# Altium PCB top_1.PcbDoc (part 5 of 5)
Units mil, origin at the board's own origin, x right, y up, seen from the top; angles counter-clockwise.
Board outline 12029.02 x 5828 mil, 2 copper layers (Top Layer, Bottom Layer); 775 components, 466 nets, 1984 pads, 387 vias.
Unrouted connection lines stored in the file: 279.
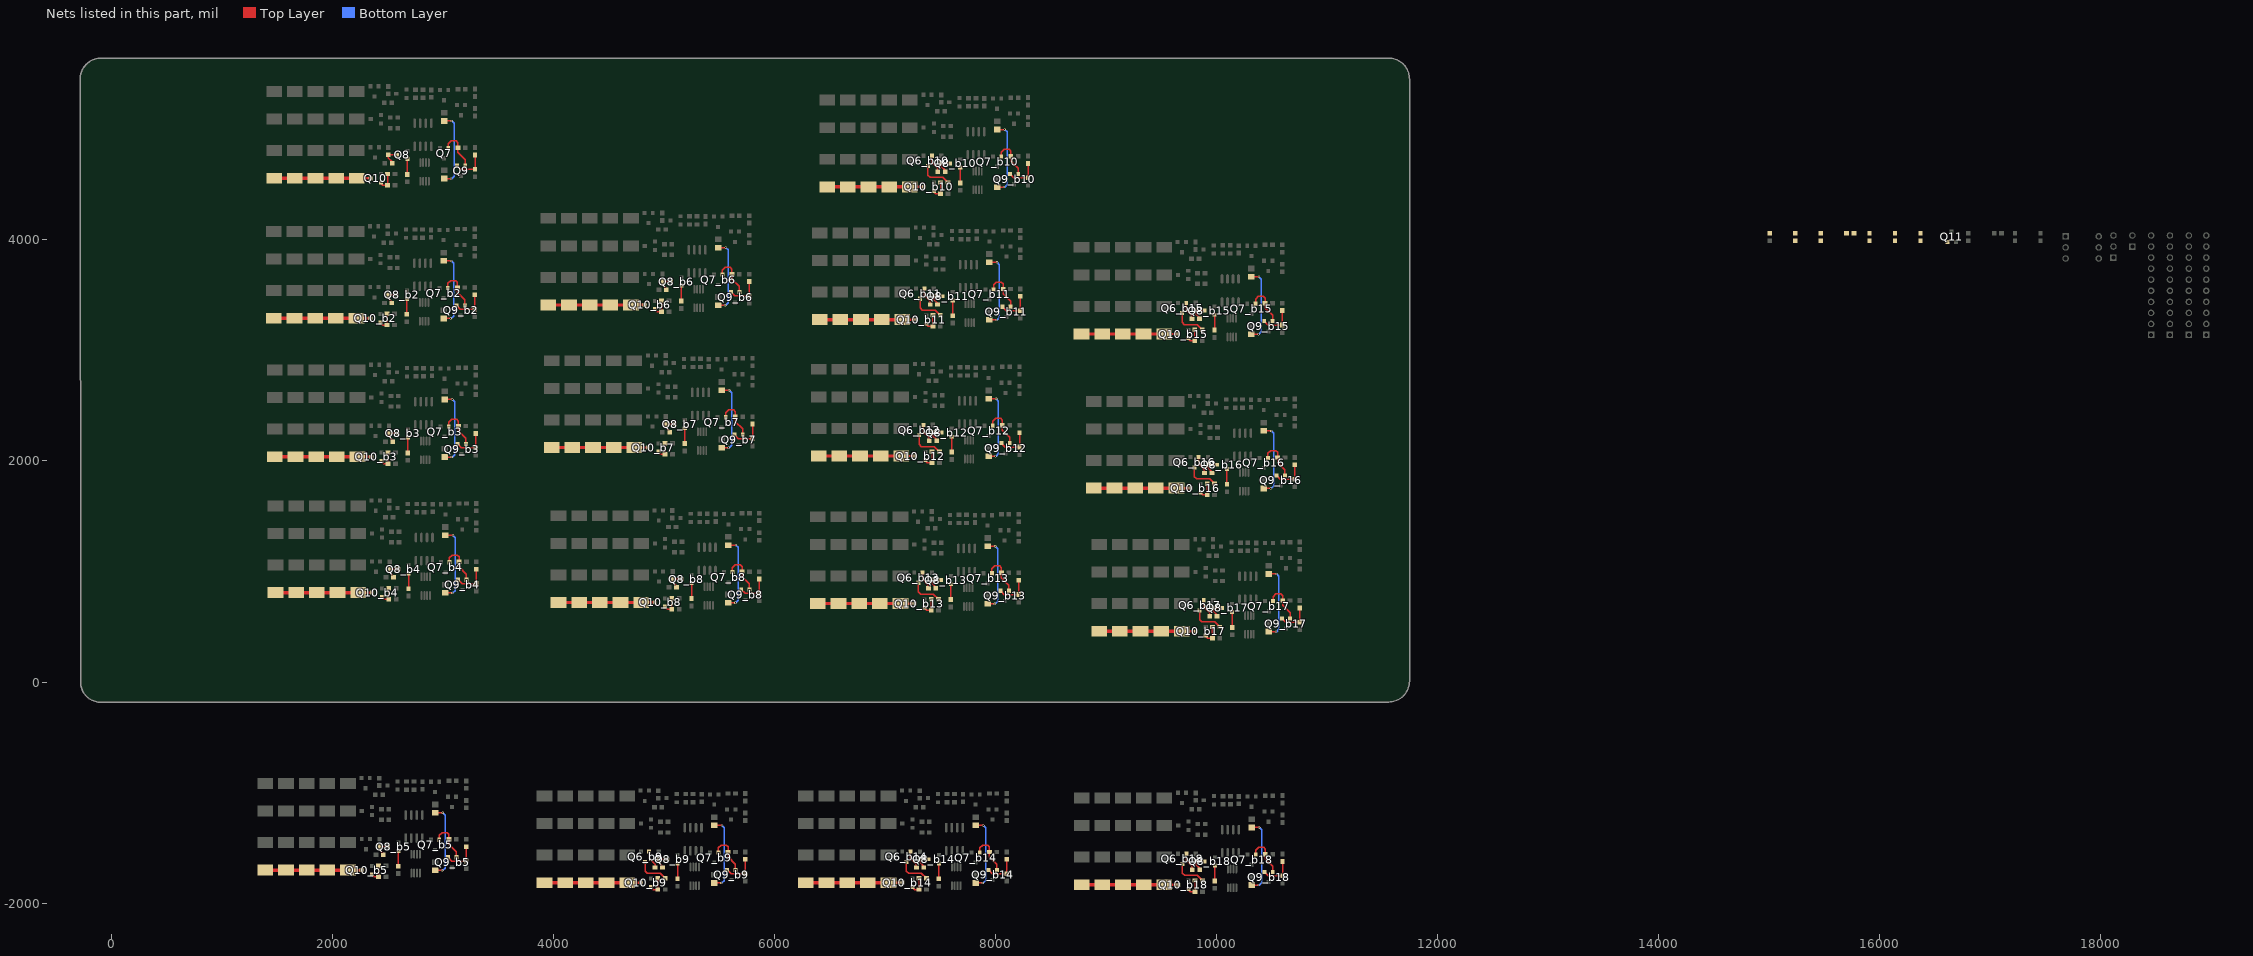
[diagram p5: the nets of this part, all layers, seen from the top]

## Via types
v1: diameter 20, hole 10, Top Layer to Bottom Layer, 346 vias
v2: diameter 40, hole 20, Top Layer to Bottom Layer, 39 vias
v3: diameter 125.98, hole 125.98, Top Layer to Bottom Layer, 2 vias

## Nets (pads, with @x,y where several pads share a name; then routed paths per layer and width w, separated by ;. In a path a pad name is that pad's centre, name@x,y a point inside that pad or via, vN(x,y) a via of type N, cw(c..) or ccw(c..) an arc to the next point about the centre after c; other vN are vias at no path point) (continued)
NetQ6_b9_1: Q6_b9.1 R37_b9.2 | length 165.8
  Top Layer w12: Q6_b9.1@4867.4,-1534.74 4867.4,-1595.94 4920.54,-1649.07 R37_b9.2@4920.54,-1678.54
NetQ6_b9_3: Q6_b9.3 R23_b9.2 | length 293.1
  Top Layer w12: Q6_b9.3@4830,-1627.26 4830,-1710.54 4850,-1730.54 4966.46,-1730.54 R23_b9.2@5012.46,-1776.54
NetQ6_b10_1: Q6_b10.1 R37_b10.2 | length 165.8
  Top Layer w12: Q6_b10.1@7426.4,4762.26 7426.4,4701.06 7479.54,4647.93 R37_b10.2@7479.54,4618.46
NetQ6_b10_3: Q6_b10.3 R23_b10.2 | length 293.1
  Top Layer w12: Q6_b10.3@7389,4669.74 7389,4586.46 7409,4566.46 7525.46,4566.46 R23_b10.2@7571.46,4520.46
NetQ6_b11_1: Q6_b11.1 R37_b11.2 | length 165.8
  Top Layer w12: Q6_b11.1@7357.4,3560.26 7357.4,3499.06 7410.54,3445.93 R37_b11.2@7410.54,3416.46
NetQ6_b11_3: Q6_b11.3 R23_b11.2 | length 293.1
  Top Layer w12: Q6_b11.3@7320,3467.74 7320,3384.46 7340,3364.46 7456.46,3364.46 R23_b11.2@7502.46,3318.46
NetQ6_b12_1: Q6_b12.1 R37_b12.2 | length 165.8
  Top Layer w12: Q6_b12.1@7349.4,2326.26 7349.4,2265.06 7402.54,2211.93 R37_b12.2@7402.54,2182.46
NetQ6_b12_3: Q6_b12.3 R23_b12.2 | length 293.1
  Top Layer w12: Q6_b12.3@7312,2233.74 7312,2150.46 7332,2130.46 7448.46,2130.46 R23_b12.2@7494.46,2084.46
NetQ6_b13_1: Q6_b13.1 R37_b13.2 | length 165.8
  Top Layer w12: Q6_b13.1@7341.4,991.26 7341.4,930.06 7394.54,876.93 R37_b13.2@7394.54,847.46
NetQ6_b13_3: Q6_b13.3 R23_b13.2 | length 293.1
  Top Layer w12: Q6_b13.3@7304,898.74 7304,815.46 7324,795.46 7440.46,795.46 R23_b13.2@7486.46,749.46
NetQ6_b14_1: Q6_b14.1 R37_b14.2 | length 165.8
  Top Layer w12: Q6_b14.1@7232.4,-1534.74 7232.4,-1595.94 7285.54,-1649.07 R37_b14.2@7285.54,-1678.54
NetQ6_b14_3: Q6_b14.3 R23_b14.2 | length 293.1
  Top Layer w12: Q6_b14.3@7195,-1627.26 7195,-1710.54 7215,-1730.54 7331.46,-1730.54 R23_b14.2@7377.46,-1776.54
NetQ6_b15_1: Q6_b15.1 R37_b15.2 | length 165.8
  Top Layer w12: Q6_b15.1@9727.4,3430.26 9727.4,3369.06 9780.54,3315.93 R37_b15.2@9780.54,3286.46
NetQ6_b15_3: Q6_b15.3 R23_b15.2 | length 293.1
  Top Layer w12: Q6_b15.3@9690,3337.74 9690,3254.46 9710,3234.46 9826.46,3234.46 R23_b15.2@9872.46,3188.46
NetQ6_b16_1: Q6_b16.1 R37_b16.2 | length 165.8
  Top Layer w12: Q6_b16.1@9839.4,2035.26 9839.4,1974.06 9892.54,1920.93 R37_b16.2@9892.54,1891.46
NetQ6_b16_3: Q6_b16.3 R23_b16.2 | length 293.1
  Top Layer w12: Q6_b16.3@9802,1942.74 9802,1859.46 9822,1839.46 9938.46,1839.46 R23_b16.2@9984.46,1793.46
NetQ6_b17_1: Q6_b17.1 R37_b17.2 | length 165.8
  Top Layer w12: Q6_b17.1@9886.4,740.26 9886.4,679.06 9939.54,625.93 R37_b17.2@9939.54,596.46
NetQ6_b17_3: Q6_b17.3 R23_b17.2 | length 293.1
  Top Layer w12: Q6_b17.3@9849,647.74 9849,564.46 9869,544.46 9985.46,544.46 R23_b17.2@10031.46,498.46
NetQ6_b18_1: Q6_b18.1 R37_b18.2 | length 165.8
  Top Layer w12: Q6_b18.1@9729.4,-1553.74 9729.4,-1614.94 9782.54,-1668.07 R37_b18.2@9782.54,-1697.54
NetQ6_b18_3: Q6_b18.3 R23_b18.2 | length 293.1
  Top Layer w12: Q6_b18.3@9692,-1646.26 9692,-1729.54 9712,-1749.54 9828.46,-1749.54 R23_b18.2@9874.46,-1795.54
NetQ7_1: Q7.1 Q9.1 R20.1 | length 379.6
  Top Layer w12: Q7.1@3049.4,4832.26 3049.4,4872.4 3075,4898 3120,4898 3136.54,4881.46 R20.1@3136.54,4836 3136.54,4792.46 3203.4,4725.6 Q9.1@3203.4,4674.26
NetQ7_b2_1: Q7_b2.1 Q9_b2.1 R20_b2.1 | length 379.6
  Top Layer w12: Q7_b2.1@3045.4,3566.26 3045.4,3606.4 3071,3632 3116,3632 3132.54,3615.46 R20_b2.1@3132.54,3570 3132.54,3526.46 3199.4,3459.6 Q9_b2.1@3199.4,3408.26
NetQ7_b3_1: Q7_b3.1 Q9_b3.1 R20_b3.1 | length 379.6
  Top Layer w12: Q7_b3.1@3054.4,2312.26 3054.4,2352.4 3080,2378 3125,2378 3141.54,2361.46 R20_b3.1@3141.54,2316 3141.54,2272.46 3208.4,2205.6 Q9_b3.1@3208.4,2154.26
NetQ7_b4_1: Q7_b4.1 Q9_b4.1 R20_b4.1 | length 379.6
  Top Layer w12: Q7_b4.1@3060.4,1083.26 3060.4,1123.4 3086,1149 3131,1149 3147.54,1132.46 R20_b4.1@3147.54,1087 3147.54,1043.46 3214.4,976.6 Q9_b4.1@3214.4,925.26
NetQ7_b5_1: Q7_b5.1 Q9_b5.1 R20_b5.1 | length 379.6
  Top Layer w12: Q7_b5.1@2968.4,-1427.74 2968.4,-1387.6 2994,-1362 3039,-1362 3055.54,-1378.54 R20_b5.1@3055.54,-1424 3055.54,-1467.54 3122.4,-1534.4 Q9_b5.1@3122.4,-1585.74
NetQ7_b6_1: Q7_b6.1 Q9_b6.1 R20_b6.1 | length 379.6
  Top Layer w12: Q7_b6.1@5529.4,3686.26 5529.4,3726.4 5555,3752 5600,3752 5616.54,3735.46 R20_b6.1@5616.54,3690 5616.54,3646.46 5683.4,3579.6 Q9_b6.1@5683.4,3528.26
NetQ7_b7_1: Q7_b7.1 Q9_b7.1 R20_b7.1 | length 379.6
  Top Layer w12: Q7_b7.1@5560.4,2396.26 5560.4,2436.4 5586,2462 5631,2462 5647.54,2445.46 R20_b7.1@5647.54,2400 5647.54,2356.46 5714.4,2289.6 Q9_b7.1@5714.4,2238.26
NetQ7_b8_1: Q7_b8.1 Q9_b8.1 R20_b8.1 | length 379.6
  Top Layer w12: Q7_b8.1@5621.4,994.26 5621.4,1034.4 5647,1060 5692,1060 5708.54,1043.46 R20_b8.1@5708.54,998 5708.54,954.46 5775.4,887.6 Q9_b8.1@5775.4,836.26
NetQ7_b9_1: Q7_b9.1 Q9_b9.1 R20_b9.1 | length 379.6
  Top Layer w12: Q7_b9.1@5494.4,-1541.74 5494.4,-1501.6 5520,-1476 5565,-1476 5581.54,-1492.54 R20_b9.1@5581.54,-1538 5581.54,-1581.54 5648.4,-1648.4 Q9_b9.1@5648.4,-1699.74
NetQ7_b10_1: Q7_b10.1 Q9_b10.1 R20_b10.1 | length 379.6
  Top Layer w12: Q7_b10.1@8053.4,4755.26 8053.4,4795.4 8079,4821 8124,4821 8140.54,4804.46 R20_b10.1@8140.54,4759 8140.54,4715.46 8207.4,4648.6 Q9_b10.1@8207.4,4597.26
NetQ7_b11_1: Q7_b11.1 Q9_b11.1 R20_b11.1 | length 379.6
  Top Layer w12: Q7_b11.1@7984.4,3553.26 7984.4,3593.4 8010,3619 8055,3619 8071.54,3602.46 R20_b11.1@8071.54,3557 8071.54,3513.46 8138.4,3446.6 Q9_b11.1@8138.4,3395.26
NetQ7_b12_1: Q7_b12.1 Q9_b12.1 R20_b12.1 | length 379.6
  Top Layer w12: Q7_b12.1@7976.4,2319.26 7976.4,2359.4 8002,2385 8047,2385 8063.54,2368.46 R20_b12.1@8063.54,2323 8063.54,2279.46 8130.4,2212.6 Q9_b12.1@8130.4,2161.26
NetQ7_b13_1: Q7_b13.1 Q9_b13.1 R20_b13.1 | length 379.6
  Top Layer w12: Q7_b13.1@7968.4,984.26 7968.4,1024.4 7994,1050 8039,1050 8055.54,1033.46 R20_b13.1@8055.54,988 8055.54,944.46 8122.4,877.6 Q9_b13.1@8122.4,826.26
NetQ7_b14_1: Q7_b14.1 Q9_b14.1 R20_b14.1 | length 379.6
  Top Layer w12: Q7_b14.1@7859.4,-1541.74 7859.4,-1501.6 7885,-1476 7930,-1476 7946.54,-1492.54 R20_b14.1@7946.54,-1538 7946.54,-1581.54 8013.4,-1648.4 Q9_b14.1@8013.4,-1699.74
NetQ7_b15_1: Q7_b15.1 Q9_b15.1 R20_b15.1 | length 379.6
  Top Layer w12: Q7_b15.1@10354.4,3423.26 10354.4,3463.4 10380,3489 10425,3489 10441.54,3472.46 R20_b15.1@10441.54,3427 10441.54,3383.46 10508.4,3316.6 Q9_b15.1@10508.4,3265.26
NetQ7_b16_1: Q7_b16.1 Q9_b16.1 R20_b16.1 | length 379.6
  Top Layer w12: Q7_b16.1@10466.4,2028.26 10466.4,2068.4 10492,2094 10537,2094 10553.54,2077.46 R20_b16.1@10553.54,2032 10553.54,1988.46 10620.4,1921.6 Q9_b16.1@10620.4,1870.26
NetQ7_b17_1: Q7_b17.1 Q9_b17.1 R20_b17.1 | length 379.6
  Top Layer w12: Q7_b17.1@10513.4,733.26 10513.4,773.4 10539,799 10584,799 10600.54,782.46 R20_b17.1@10600.54,737 10600.54,693.46 10667.4,626.6 Q9_b17.1@10667.4,575.26
NetQ7_b18_1: Q7_b18.1 Q9_b18.1 R20_b18.1 | length 379.6
  Top Layer w12: Q7_b18.1@10356.4,-1560.74 10356.4,-1520.6 10382,-1495 10427,-1495 10443.54,-1511.54 R20_b18.1@10443.54,-1557 10443.54,-1600.54 10510.4,-1667.4 Q9_b18.1@10510.4,-1718.74
NetQ8_1: Q8.1 R22.1 | length 139.2
  Top Layer w12: R22.1@2679,4593.46 2679.26,4593.72 Q8.1@2679.26,4732.6
NetQ8_3: Q8.3 R19.1 R37.1 | length 168.3
  Top Layer w15: R37.1@2542.46,4695.46 2542.46,4708 2508,4742.46 R19.1@2508,4770.54 2508.54,4770 Q8.3@2586.74,4770
NetQ8_b2_1: Q8_b2.1 R22_b2.1 | length 139.2
  Top Layer w12: R22_b2.1@2675,3327.46 2675.26,3327.72 Q8_b2.1@2675.26,3466.6
NetQ8_b2_3: Q8_b2.3 R19_b2.1 R37_b2.1 | length 168.3
  Top Layer w15: R37_b2.1@2538.46,3429.46 2538.46,3442 2504,3476.46 R19_b2.1@2504,3504.54 2504.54,3504 Q8_b2.3@2582.74,3504
NetQ8_b3_1: Q8_b3.1 R22_b3.1 | length 139.2
  Top Layer w12: R22_b3.1@2684,2073.46 2684.26,2073.72 Q8_b3.1@2684.26,2212.6
NetQ8_b3_3: Q8_b3.3 R19_b3.1 R37_b3.1 | length 168.3
  Top Layer w15: R37_b3.1@2547.46,2175.46 2547.46,2188 2513,2222.46 R19_b3.1@2513,2250.54 2513.54,2250 Q8_b3.3@2591.74,2250
NetQ8_b4_1: Q8_b4.1 R22_b4.1 | length 139.2
  Top Layer w12: R22_b4.1@2690,844.46 2690.26,844.72 Q8_b4.1@2690.26,983.6
NetQ8_b4_3: Q8_b4.3 R19_b4.1 R37_b4.1 | length 168.3
  Top Layer w15: R37_b4.1@2553.46,946.46 2553.46,959 2519,993.46 R19_b4.1@2519,1021.54 2519.54,1021 Q8_b4.3@2597.74,1021
NetQ8_b5_1: Q8_b5.1 R22_b5.1 | length 139.2
  Top Layer w12: R22_b5.1@2598,-1666.54 2598.26,-1666.28 Q8_b5.1@2598.26,-1527.4
NetQ8_b5_3: Q8_b5.3 R19_b5.1 R37_b5.1 | length 168.3
  Top Layer w15: R37_b5.1@2461.46,-1564.54 2461.46,-1552 2427,-1517.54 R19_b5.1@2427,-1489.46 2427.54,-1490 Q8_b5.3@2505.74,-1490
NetQ8_b6_1: Q8_b6.1 R22_b6.1 | length 139.2
  Top Layer w12: R22_b6.1@5159,3447.46 5159.26,3447.72 Q8_b6.1@5159.26,3586.6
NetQ8_b6_3: Q8_b6.3 R19_b6.1 R37_b6.1 | length 168.3
  Top Layer w15: R37_b6.1@5022.46,3549.46 5022.46,3562 4988,3596.46 R19_b6.1@4988,3624.54 4988.54,3624 Q8_b6.3@5066.74,3624
NetQ8_b7_1: Q8_b7.1 R22_b7.1 | length 139.2
  Top Layer w12: R22_b7.1@5190,2157.46 5190.26,2157.72 Q8_b7.1@5190.26,2296.6
NetQ8_b7_3: Q8_b7.3 R19_b7.1 R37_b7.1 | length 168.3
  Top Layer w15: R37_b7.1@5053.46,2259.46 5053.46,2272 5019,2306.46 R19_b7.1@5019,2334.54 5019.54,2334 Q8_b7.3@5097.74,2334
NetQ8_b8_1: Q8_b8.1 R22_b8.1 | length 139.2
  Top Layer w12: R22_b8.1@5251,755.46 5251.26,755.72 Q8_b8.1@5251.26,894.6
NetQ8_b8_3: Q8_b8.3 R19_b8.1 R37_b8.1 | length 168.3
  Top Layer w15: R37_b8.1@5114.46,857.46 5114.46,870 5080,904.46 R19_b8.1@5080,932.54 5080.54,932 Q8_b8.3@5158.74,932
NetQ8_b9_1: Q8_b9.1 R22_b9.1 | length 139.2
  Top Layer w12: R22_b9.1@5124,-1780.54 5124.26,-1780.28 Q8_b9.1@5124.26,-1641.4
NetQ8_b9_3: Q8_b9.3 R19_b9.1 R37_b9.1 | length 168.3
  Top Layer w15: R37_b9.1@4987.46,-1678.54 4987.46,-1666 4953,-1631.54 R19_b9.1@4953,-1603.46 4953.54,-1604 Q8_b9.3@5031.74,-1604
NetQ8_b10_1: Q8_b10.1 R22_b10.1 | length 139.2
  Top Layer w12: R22_b10.1@7683,4516.46 7683.26,4516.72 Q8_b10.1@7683.26,4655.6
NetQ8_b10_3: Q8_b10.3 R19_b10.1 R37_b10.1 | length 168.3
  Top Layer w15: R37_b10.1@7546.46,4618.46 7546.46,4631 7512,4665.46 R19_b10.1@7512,4693.54 7512.54,4693 Q8_b10.3@7590.74,4693
NetQ8_b11_1: Q8_b11.1 R22_b11.1 | length 139.2
  Top Layer w12: R22_b11.1@7614,3314.46 7614.26,3314.72 Q8_b11.1@7614.26,3453.6
NetQ8_b11_3: Q8_b11.3 R19_b11.1 R37_b11.1 | length 168.3
  Top Layer w15: R37_b11.1@7477.46,3416.46 7477.46,3429 7443,3463.46 R19_b11.1@7443,3491.54 7443.54,3491 Q8_b11.3@7521.74,3491
NetQ8_b12_1: Q8_b12.1 R22_b12.1 | length 139.2
  Top Layer w12: R22_b12.1@7606,2080.46 7606.26,2080.72 Q8_b12.1@7606.26,2219.6
NetQ8_b12_3: Q8_b12.3 R19_b12.1 R37_b12.1 | length 168.3
  Top Layer w15: R37_b12.1@7469.46,2182.46 7469.46,2195 7435,2229.46 R19_b12.1@7435,2257.54 7435.54,2257 Q8_b12.3@7513.74,2257
NetQ8_b13_1: Q8_b13.1 R22_b13.1 | length 139.2
  Top Layer w12: R22_b13.1@7598,745.46 7598.26,745.72 Q8_b13.1@7598.26,884.6
NetQ8_b13_3: Q8_b13.3 R19_b13.1 R37_b13.1 | length 168.3
  Top Layer w15: R37_b13.1@7461.46,847.46 7461.46,860 7427,894.46 R19_b13.1@7427,922.54 7427.54,922 Q8_b13.3@7505.74,922
NetQ8_b14_1: Q8_b14.1 R22_b14.1 | length 139.2
  Top Layer w12: R22_b14.1@7489,-1780.54 7489.26,-1780.28 Q8_b14.1@7489.26,-1641.4
NetQ8_b14_3: Q8_b14.3 R19_b14.1 R37_b14.1 | length 168.3
  Top Layer w15: R37_b14.1@7352.46,-1678.54 7352.46,-1666 7318,-1631.54 R19_b14.1@7318,-1603.46 7318.54,-1604 Q8_b14.3@7396.74,-1604
NetQ8_b15_1: Q8_b15.1 R22_b15.1 | length 139.2
  Top Layer w12: R22_b15.1@9984,3184.46 9984.26,3184.72 Q8_b15.1@9984.26,3323.6
NetQ8_b15_3: Q8_b15.3 R19_b15.1 R37_b15.1 | length 168.3
  Top Layer w15: R37_b15.1@9847.46,3286.46 9847.46,3299 9813,3333.46 R19_b15.1@9813,3361.54 9813.54,3361 Q8_b15.3@9891.74,3361
NetQ8_b16_1: Q8_b16.1 R22_b16.1 | length 139.2
  Top Layer w12: R22_b16.1@10096,1789.46 10096.26,1789.72 Q8_b16.1@10096.26,1928.6
NetQ8_b16_3: Q8_b16.3 R19_b16.1 R37_b16.1 | length 168.3
  Top Layer w15: R37_b16.1@9959.46,1891.46 9959.46,1904 9925,1938.46 R19_b16.1@9925,1966.54 9925.54,1966 Q8_b16.3@10003.74,1966
NetQ8_b17_1: Q8_b17.1 R22_b17.1 | length 139.2
  Top Layer w12: R22_b17.1@10143,494.46 10143.26,494.72 Q8_b17.1@10143.26,633.6
NetQ8_b17_3: Q8_b17.3 R19_b17.1 R37_b17.1 | length 168.3
  Top Layer w15: R37_b17.1@10006.46,596.46 10006.46,609 9972,643.46 R19_b17.1@9972,671.54 9972.54,671 Q8_b17.3@10050.74,671
NetQ8_b18_1: Q8_b18.1 R22_b18.1 | length 139.2
  Top Layer w12: R22_b18.1@9986,-1799.54 9986.26,-1799.28 Q8_b18.1@9986.26,-1660.4
NetQ8_b18_3: Q8_b18.3 R19_b18.1 R37_b18.1 | length 168.3
  Top Layer w15: R37_b18.1@9849.46,-1697.54 9849.46,-1685 9815,-1650.54 R19_b18.1@9815,-1622.46 9815.54,-1623 Q8_b18.3@9893.74,-1623
NetQ9_2: Q9.2 R21.1 R24.2 | length 307.9
  Top Layer w12: Q9.2@3128.6,4674.26 3163.39,4639.46 R24.2@3292,4639.46 R21.1@3292,4769.54
NetQ9_b2_2: Q9_b2.2 R21_b2.1 R24_b2.2 | length 307.9
  Top Layer w12: Q9_b2.2@3124.6,3408.26 3159.39,3373.46 R24_b2.2@3288,3373.46 R21_b2.1@3288,3503.54
NetQ9_b3_2: Q9_b3.2 R21_b3.1 R24_b3.2 | length 307.9
  Top Layer w12: Q9_b3.2@3133.6,2154.26 3168.39,2119.46 R24_b3.2@3297,2119.46 R21_b3.1@3297,2249.54
NetQ9_b4_2: Q9_b4.2 R21_b4.1 R24_b4.2 | length 307.9
  Top Layer w12: Q9_b4.2@3139.6,925.26 3174.39,890.46 R24_b4.2@3303,890.46 R21_b4.1@3303,1020.54
NetQ9_b5_2: Q9_b5.2 R21_b5.1 R24_b5.2 | length 307.9
  Top Layer w12: Q9_b5.2@3047.6,-1585.74 3082.39,-1620.54 R24_b5.2@3211,-1620.54 R21_b5.1@3211,-1490.46
NetQ9_b6_2: Q9_b6.2 R21_b6.1 R24_b6.2 | length 307.9
  Top Layer w12: Q9_b6.2@5608.6,3528.26 5643.39,3493.46 R24_b6.2@5772,3493.46 R21_b6.1@5772,3623.54
NetQ9_b7_2: Q9_b7.2 R21_b7.1 R24_b7.2 | length 307.9
  Top Layer w12: Q9_b7.2@5639.6,2238.26 5674.39,2203.46 R24_b7.2@5803,2203.46 R21_b7.1@5803,2333.54
NetQ9_b8_2: Q9_b8.2 R21_b8.1 R24_b8.2 | length 307.9
  Top Layer w12: Q9_b8.2@5700.6,836.26 5735.39,801.46 R24_b8.2@5864,801.46 R21_b8.1@5864,931.54
NetQ9_b9_2: Q9_b9.2 R21_b9.1 R24_b9.2 | length 307.9
  Top Layer w12: Q9_b9.2@5573.6,-1699.74 5608.39,-1734.54 R24_b9.2@5737,-1734.54 R21_b9.1@5737,-1604.46
NetQ9_b10_2: Q9_b10.2 R21_b10.1 R24_b10.2 | length 307.9
  Top Layer w12: Q9_b10.2@8132.6,4597.26 8167.39,4562.46 R24_b10.2@8296,4562.46 R21_b10.1@8296,4692.54
NetQ9_b11_2: Q9_b11.2 R21_b11.1 R24_b11.2 | length 307.9
  Top Layer w12: Q9_b11.2@8063.6,3395.26 8098.39,3360.46 R24_b11.2@8227,3360.46 R21_b11.1@8227,3490.54
NetQ9_b12_2: Q9_b12.2 R21_b12.1 R24_b12.2 | length 307.9
  Top Layer w12: Q9_b12.2@8055.6,2161.26 8090.39,2126.46 R24_b12.2@8219,2126.46 R21_b12.1@8219,2256.54
NetQ9_b13_2: Q9_b13.2 R21_b13.1 R24_b13.2 | length 307.9
  Top Layer w12: Q9_b13.2@8047.6,826.26 8082.39,791.46 R24_b13.2@8211,791.46 R21_b13.1@8211,921.54
NetQ9_b14_2: Q9_b14.2 R21_b14.1 R24_b14.2 | length 307.9
  Top Layer w12: Q9_b14.2@7938.6,-1699.74 7973.39,-1734.54 R24_b14.2@8102,-1734.54 R21_b14.1@8102,-1604.46
NetQ9_b15_2: Q9_b15.2 R21_b15.1 R24_b15.2 | length 307.9
  Top Layer w12: Q9_b15.2@10433.6,3265.26 10468.39,3230.46 R24_b15.2@10597,3230.46 R21_b15.1@10597,3360.54
NetQ9_b16_2: Q9_b16.2 R21_b16.1 R24_b16.2 | length 307.9
  Top Layer w12: Q9_b16.2@10545.6,1870.26 10580.39,1835.46 R24_b16.2@10709,1835.46 R21_b16.1@10709,1965.54
NetQ9_b17_2: Q9_b17.2 R21_b17.1 R24_b17.2 | length 307.9
  Top Layer w12: Q9_b17.2@10592.6,575.26 10627.39,540.46 R24_b17.2@10756,540.46 R21_b17.1@10756,670.54
NetQ9_b18_2: Q9_b18.2 R21_b18.1 R24_b18.2 | length 307.9
  Top Layer w12: Q9_b18.2@10435.6,-1718.74 10470.39,-1753.54 R24_b18.2@10599,-1753.54 R21_b18.1@10599,-1623.46
NetQ10_1: Q10.1 R23.1 R38.2 | length 174.4
  Top Layer w12: Q10.1@2440.26,4520.6 2440.26,4515.21 2459,4496.46 R38.2@2500.54,4496.46 R23.1@2500.54,4597.46
NetQ10_3: Q10.3 R14.1 R15.1 R16.1 R17.1 R18.1 | length 872.7
  Top Layer w22: R18.1@2223,4558 Q10.3@2347.74,4558
  Top Layer w30: R14.1@1475,4558 R15.1@1662,4558 R16.1@1849,4558 R17.1@2036,4558 R18.1@2223,4558
NetQ10_b2_1: Q10_b2.1 R23_b2.1 R38_b2.2 | length 174.4
  Top Layer w12: Q10_b2.1@2436.26,3254.6 2436.26,3249.21 2455,3230.46 R38_b2.2@2496.54,3230.46 R23_b2.1@2496.54,3331.46
NetQ10_b2_3: Q10_b2.3 R14_b2.1 R15_b2.1 R16_b2.1 R17_b2.1 R18_b2.1 | length 872.7
  Top Layer w22: R18_b2.1@2219,3292 Q10_b2.3@2343.74,3292
  Top Layer w30: R14_b2.1@1471,3292 R15_b2.1@1658,3292 R16_b2.1@1845,3292 R17_b2.1@2032,3292 R18_b2.1@2219,3292
NetQ10_b3_1: Q10_b3.1 R23_b3.1 R38_b3.2 | length 174.4
  Top Layer w12: Q10_b3.1@2445.26,2000.6 2445.26,1995.21 2464,1976.46 R38_b3.2@2505.54,1976.46 R23_b3.1@2505.54,2077.46
NetQ10_b3_3: Q10_b3.3 R14_b3.1 R15_b3.1 R16_b3.1 R17_b3.1 R18_b3.1 | length 872.7
  Top Layer w22: R18_b3.1@2228,2038 Q10_b3.3@2352.74,2038
  Top Layer w30: R14_b3.1@1480,2038 R15_b3.1@1667,2038 R16_b3.1@1854,2038 R17_b3.1@2041,2038 R18_b3.1@2228,2038
NetQ10_b4_1: Q10_b4.1 R23_b4.1 R38_b4.2 | length 174.4
  Top Layer w12: Q10_b4.1@2451.26,771.6 2451.26,766.21 2470,747.46 R38_b4.2@2511.54,747.46 R23_b4.1@2511.54,848.46
NetQ10_b4_3: Q10_b4.3 R14_b4.1 R15_b4.1 R16_b4.1 R17_b4.1 R18_b4.1 | length 872.7
  Top Layer w22: R18_b4.1@2234,809 Q10_b4.3@2358.74,809
  Top Layer w30: R14_b4.1@1486,809 R15_b4.1@1673,809 R16_b4.1@1860,809 R17_b4.1@2047,809 R18_b4.1@2234,809
NetQ10_b5_1: Q10_b5.1 R23_b5.1 R38_b5.2 | length 174.4
  Top Layer w12: Q10_b5.1@2359.26,-1739.4 2359.26,-1744.79 2378,-1763.54 R38_b5.2@2419.54,-1763.54 R23_b5.1@2419.54,-1662.54
NetQ10_b5_3: Q10_b5.3 R14_b5.1 R15_b5.1 R16_b5.1 R17_b5.1 R18_b5.1 | length 872.7
  Top Layer w22: R18_b5.1@2142,-1702 Q10_b5.3@2266.74,-1702
  Top Layer w30: R14_b5.1@1394,-1702 R15_b5.1@1581,-1702 R16_b5.1@1768,-1702 R17_b5.1@1955,-1702 R18_b5.1@2142,-1702
NetQ10_b6_1: Q10_b6.1 R23_b6.1 R38_b6.2 | length 174.4
  Top Layer w12: Q10_b6.1@4920.26,3374.6 4920.26,3369.21 4939,3350.46 R38_b6.2@4980.54,3350.46 R23_b6.1@4980.54,3451.46
NetQ10_b6_3: Q10_b6.3 R14_b6.1 R15_b6.1 R16_b6.1 R17_b6.1 R18_b6.1 | length 872.7
  Top Layer w22: R18_b6.1@4703,3412 Q10_b6.3@4827.74,3412
  Top Layer w30: R14_b6.1@3955,3412 R15_b6.1@4142,3412 R16_b6.1@4329,3412 R17_b6.1@4516,3412 R18_b6.1@4703,3412
NetQ10_b7_1: Q10_b7.1 R23_b7.1 R38_b7.2 | length 174.4
  Top Layer w12: Q10_b7.1@4951.26,2084.6 4951.26,2079.21 4970,2060.46 R38_b7.2@5011.54,2060.46 R23_b7.1@5011.54,2161.46
NetQ10_b7_3: Q10_b7.3 R14_b7.1 R15_b7.1 R16_b7.1 R17_b7.1 R18_b7.1 | length 872.7
  Top Layer w22: R18_b7.1@4734,2122 Q10_b7.3@4858.74,2122
  Top Layer w30: R14_b7.1@3986,2122 R15_b7.1@4173,2122 R16_b7.1@4360,2122 R17_b7.1@4547,2122 R18_b7.1@4734,2122
NetQ10_b8_1: Q10_b8.1 R23_b8.1 R38_b8.2 | length 174.4
  Top Layer w12: Q10_b8.1@5012.26,682.6 5012.26,677.21 5031,658.46 R38_b8.2@5072.54,658.46 R23_b8.1@5072.54,759.46
NetQ10_b8_3: Q10_b8.3 R14_b8.1 R15_b8.1 R16_b8.1 R17_b8.1 R18_b8.1 | length 872.7
  Top Layer w22: R18_b8.1@4795,720 Q10_b8.3@4919.74,720
  Top Layer w30: R14_b8.1@4047,720 R15_b8.1@4234,720 R16_b8.1@4421,720 R17_b8.1@4608,720 R18_b8.1@4795,720
NetQ10_b9_1: Q10_b9.1 R23_b9.1 R38_b9.2 | length 174.4
  Top Layer w12: Q10_b9.1@4885.26,-1853.4 4885.26,-1858.79 4904,-1877.54 R38_b9.2@4945.54,-1877.54 R23_b9.1@4945.54,-1776.54
NetQ10_b9_3: Q10_b9.3 R14_b9.1 R15_b9.1 R16_b9.1 R17_b9.1 R18_b9.1 | length 872.7
  Top Layer w22: R18_b9.1@4668,-1816 Q10_b9.3@4792.74,-1816
  Top Layer w30: R14_b9.1@3920,-1816 R15_b9.1@4107,-1816 R16_b9.1@4294,-1816 R17_b9.1@4481,-1816 R18_b9.1@4668,-1816
NetQ10_b10_1: Q10_b10.1 R23_b10.1 R38_b10.2 | length 174.4
  Top Layer w12: Q10_b10.1@7444.26,4443.6 7444.26,4438.21 7463,4419.46 R38_b10.2@7504.54,4419.46 R23_b10.1@7504.54,4520.46
NetQ10_b10_3: Q10_b10.3 R14_b10.1 R15_b10.1 R16_b10.1 R17_b10.1 R18_b10.1 | length 872.7
  Top Layer w22: R18_b10.1@7227,4481 Q10_b10.3@7351.74,4481
  Top Layer w30: R14_b10.1@6479,4481 R15_b10.1@6666,4481 R16_b10.1@6853,4481 R17_b10.1@7040,4481 R18_b10.1@7227,4481
NetQ10_b11_1: Q10_b11.1 R23_b11.1 R38_b11.2 | length 174.4
  Top Layer w12: Q10_b11.1@7375.26,3241.6 7375.26,3236.21 7394,3217.46 R38_b11.2@7435.54,3217.46 R23_b11.1@7435.54,3318.46
NetQ10_b11_3: Q10_b11.3 R14_b11.1 R15_b11.1 R16_b11.1 R17_b11.1 R18_b11.1 | length 872.7
  Top Layer w22: R18_b11.1@7158,3279 Q10_b11.3@7282.74,3279
  Top Layer w30: R14_b11.1@6410,3279 R15_b11.1@6597,3279 R16_b11.1@6784,3279 R17_b11.1@6971,3279 R18_b11.1@7158,3279
NetQ10_b12_1: Q10_b12.1 R23_b12.1 R38_b12.2 | length 174.4
  Top Layer w12: Q10_b12.1@7367.26,2007.6 7367.26,2002.21 7386,1983.46 R38_b12.2@7427.54,1983.46 R23_b12.1@7427.54,2084.46
NetQ10_b12_3: Q10_b12.3 R14_b12.1 R15_b12.1 R16_b12.1 R17_b12.1 R18_b12.1 | length 872.7
  Top Layer w22: R18_b12.1@7150,2045 Q10_b12.3@7274.74,2045
  Top Layer w30: R14_b12.1@6402,2045 R15_b12.1@6589,2045 R16_b12.1@6776,2045 R17_b12.1@6963,2045 R18_b12.1@7150,2045
NetQ10_b13_1: Q10_b13.1 R23_b13.1 R38_b13.2 | length 174.4
  Top Layer w12: Q10_b13.1@7359.26,672.6 7359.26,667.21 7378,648.46 R38_b13.2@7419.54,648.46 R23_b13.1@7419.54,749.46
NetQ10_b13_3: Q10_b13.3 R14_b13.1 R15_b13.1 R16_b13.1 R17_b13.1 R18_b13.1 | length 872.7
  Top Layer w22: R18_b13.1@7142,710 Q10_b13.3@7266.74,710
  Top Layer w30: R14_b13.1@6394,710 R15_b13.1@6581,710 R16_b13.1@6768,710 R17_b13.1@6955,710 R18_b13.1@7142,710
NetQ10_b14_1: Q10_b14.1 R23_b14.1 R38_b14.2 | length 174.4
  Top Layer w12: Q10_b14.1@7250.26,-1853.4 7250.26,-1858.79 7269,-1877.54 R38_b14.2@7310.54,-1877.54 R23_b14.1@7310.54,-1776.54
NetQ10_b14_3: Q10_b14.3 R14_b14.1 R15_b14.1 R16_b14.1 R17_b14.1 R18_b14.1 | length 872.7
  Top Layer w22: R18_b14.1@7033,-1816 Q10_b14.3@7157.74,-1816
  Top Layer w30: R14_b14.1@6285,-1816 R15_b14.1@6472,-1816 R16_b14.1@6659,-1816 R17_b14.1@6846,-1816 R18_b14.1@7033,-1816
NetQ10_b15_1: Q10_b15.1 R23_b15.1 R38_b15.2 | length 174.4
  Top Layer w12: Q10_b15.1@9745.26,3111.6 9745.26,3106.21 9764,3087.46 R38_b15.2@9805.54,3087.46 R23_b15.1@9805.54,3188.46
NetQ10_b15_3: Q10_b15.3 R14_b15.1 R15_b15.1 R16_b15.1 R17_b15.1 R18_b15.1 | length 872.7
  Top Layer w22: R18_b15.1@9528,3149 Q10_b15.3@9652.74,3149
  Top Layer w30: R14_b15.1@8780,3149 R15_b15.1@8967,3149 R16_b15.1@9154,3149 R17_b15.1@9341,3149 R18_b15.1@9528,3149
NetQ10_b16_1: Q10_b16.1 R23_b16.1 R38_b16.2 | length 174.4
  Top Layer w12: Q10_b16.1@9857.26,1716.6 9857.26,1711.21 9876,1692.46 R38_b16.2@9917.54,1692.46 R23_b16.1@9917.54,1793.46
NetQ10_b16_3: Q10_b16.3 R14_b16.1 R15_b16.1 R16_b16.1 R17_b16.1 R18_b16.1 | length 872.7
  Top Layer w22: R18_b16.1@9640,1754 Q10_b16.3@9764.74,1754
  Top Layer w30: R14_b16.1@8892,1754 R15_b16.1@9079,1754 R16_b16.1@9266,1754 R17_b16.1@9453,1754 R18_b16.1@9640,1754
NetQ10_b17_1: Q10_b17.1 R23_b17.1 R38_b17.2 | length 174.4
  Top Layer w12: Q10_b17.1@9904.26,421.6 9904.26,416.21 9923,397.46 R38_b17.2@9964.54,397.46 R23_b17.1@9964.54,498.46
NetQ10_b17_3: Q10_b17.3 R14_b17.1 R15_b17.1 R16_b17.1 R17_b17.1 R18_b17.1 | length 872.7
  Top Layer w22: R18_b17.1@9687,459 Q10_b17.3@9811.74,459
  Top Layer w30: R14_b17.1@8939,459 R15_b17.1@9126,459 R16_b17.1@9313,459 R17_b17.1@9500,459 R18_b17.1@9687,459
NetQ10_b18_1: Q10_b18.1 R23_b18.1 R38_b18.2 | length 174.4
  Top Layer w12: Q10_b18.1@9747.26,-1872.4 9747.26,-1877.79 9766,-1896.54 R38_b18.2@9807.54,-1896.54 R23_b18.1@9807.54,-1795.54
NetQ10_b18_3: Q10_b18.3 R14_b18.1 R15_b18.1 R16_b18.1 R17_b18.1 R18_b18.1 | length 872.7
  Top Layer w22: R18_b18.1@9530,-1835 Q10_b18.3@9654.74,-1835
  Top Layer w30: R14_b18.1@8782,-1835 R15_b18.1@8969,-1835 R16_b18.1@9156,-1835 R17_b18.1@9343,-1835 R18_b18.1@9530,-1835
NetQ11_1: Q11.1 R28.2 R29.2 R30.2 R31.2 R32.2 R33.2 R34.2
OUT2: D1.2 D1_b2.2 D1_b3.2 D2.2 D2_b2.2 D2_b3.2 R29.1 | length 2027.7
  Top Layer w12: D2_b2.2@3008,3289.6 v1(3071.6,3289.6) ; D1_b2.2@3008,3810.6 v1(3076.6,3810.6) ; D2.2@3012,4555.6 v1(3075.6,4555.6) ; D1.2@3012,5076.6 v1(3080.6,5076.6) ; D2_b3.2@3017,2035.6 v1(3080.6,2035.6) ; D1_b3.2@3017,2556.6 v1(3085.6,2556.6)
  Bottom Layer w12: v1(3071.6,3289.6) 3076.88,3289.6 3097.75,3310.46 3097.75,3789.45 v1(3076.6,3810.6) ; v1(3075.6,4555.6) 3080.88,4555.6 3101.75,4576.46 3101.75,5055.45 v1(3080.6,5076.6) ; v1(3080.6,2035.6) 3085.88,2035.6 3106.75,2056.46 3106.75,2535.45 v1(3085.6,2556.6)
OUT5: D1_b4.2 D1_b5.2 D1_b6.2 D2_b4.2 D2_b5.2 D2_b6.2 R30.1 | length 2027.7
  Top Layer w12: D2_b5.2@2931,-1704.4 v1(2994.6,-1704.4) ; D1_b5.2@2931,-1183.4 v1(2999.6,-1183.4) ; D2_b4.2@3023,806.6 v1(3086.6,806.6) ; D1_b4.2@3023,1327.6 v1(3091.6,1327.6) ; D2_b6.2@5492,3409.6 v1(5555.6,3409.6) ; D1_b6.2@5492,3930.6 v1(5560.6,3930.6)
  Bottom Layer w12: v1(2994.6,-1704.4) 2999.88,-1704.4 3020.75,-1683.54 3020.75,-1204.55 v1(2999.6,-1183.4) ; v1(3086.6,806.6) 3091.88,806.6 3112.75,827.46 3112.75,1306.45 v1(3091.6,1327.6) ; v1(5555.6,3409.6) 5560.88,3409.6 5581.75,3430.46 5581.75,3909.45 v1(5560.6,3930.6)
OUT8: D1_b7.2 D1_b8.2 D1_b9.2 D2_b7.2 D2_b8.2 D2_b9.2 R31.1 | length 2027.7
  Top Layer w12: D2_b9.2@5457,-1818.4 v1(5520.6,-1818.4) ; D1_b9.2@5457,-1297.4 v1(5525.6,-1297.4) ; D2_b7.2@5523,2119.6 v1(5586.6,2119.6) ; D1_b7.2@5523,2640.6 v1(5591.6,2640.6) ; D2_b8.2@5584,717.6 v1(5647.6,717.6) ; D1_b8.2@5584,1238.6 v1(5652.6,1238.6)
  Bottom Layer w12: v1(5520.6,-1818.4) 5525.88,-1818.4 5546.75,-1797.54 5546.75,-1318.55 v1(5525.6,-1297.4) ; v1(5586.6,2119.6) 5591.88,2119.6 5612.75,2140.46 5612.75,2619.45 v1(5591.6,2640.6) ; v1(5647.6,717.6) 5652.88,717.6 5673.75,738.46 5673.75,1217.45 v1(5652.6,1238.6)
OUT11: D1_b10.2 D1_b11.2 D1_b12.2 D2_b10.2 D2_b11.2 D2_b12.2 R32.1 | length 2027.7
  Top Layer w12: D2_b12.2@7939,2042.6 v1(8002.6,2042.6) ; D1_b12.2@7939,2563.6 v1(8007.6,2563.6) ; D2_b11.2@7947,3276.6 v1(8010.6,3276.6) ; D1_b11.2@7947,3797.6 v1(8015.6,3797.6) ; D2_b10.2@8016,4478.6 v1(8079.6,4478.6) ; D1_b10.2@8016,4999.6 v1(8084.6,4999.6)
  Bottom Layer w12: v1(8002.6,2042.6) 8007.88,2042.6 8028.75,2063.46 8028.75,2542.45 v1(8007.6,2563.6) ; v1(8010.6,3276.6) 8015.88,3276.6 8036.75,3297.46 8036.75,3776.45 v1(8015.6,3797.6) ; v1(8079.6,4478.6) 8084.88,4478.6 8105.75,4499.46 8105.75,4978.45 v1(8084.6,4999.6)
OUT14: D1_b13.2 D1_b14.2 D1_b15.2 D2_b13.2 D2_b14.2 D2_b15.2 R33.1 | length 2027.7
  Top Layer w12: D2_b14.2@7822,-1818.4 v1(7885.6,-1818.4) ; D1_b14.2@7822,-1297.4 v1(7890.6,-1297.4) ; D2_b13.2@7931,707.6 v1(7994.6,707.6) ; D1_b13.2@7931,1228.6 v1(7999.6,1228.6) ; D2_b15.2@10317,3146.6 v1(10380.6,3146.6) ; D1_b15.2@10317,3667.6 v1(10385.6,3667.6)
  Bottom Layer w12: v1(7885.6,-1818.4) 7890.88,-1818.4 7911.75,-1797.54 7911.75,-1318.55 v1(7890.6,-1297.4) ; v1(7994.6,707.6) 7999.88,707.6 8020.75,728.46 8020.75,1207.45 v1(7999.6,1228.6) ; v1(10380.6,3146.6) 10385.88,3146.6 10406.75,3167.46 10406.75,3646.45 v1(10385.6,3667.6)
OUT17: D1_b16.2 D1_b17.2 D1_b18.2 D2_b16.2 D2_b17.2 D2_b18.2 R34.1 | length 2027.7
  Top Layer w12: D2_b18.2@10319,-1837.4 v1(10382.6,-1837.4) ; D1_b18.2@10319,-1316.4 v1(10387.6,-1316.4) ; D2_b16.2@10429,1751.6 v1(10492.6,1751.6) ; D1_b16.2@10429,2272.6 v1(10497.6,2272.6) ; D2_b17.2@10476,456.6 v1(10539.6,456.6) ; D1_b17.2@10476,977.6 v1(10544.6,977.6)
  Bottom Layer w12: v1(10382.6,-1837.4) 10387.88,-1837.4 10408.75,-1816.54 10408.75,-1337.55 v1(10387.6,-1316.4) ; v1(10492.6,1751.6) 10497.88,1751.6 10518.75,1772.46 10518.75,2251.45 v1(10497.6,2272.6) ; v1(10539.6,456.6) 10544.88,456.6 10565.75,477.46 10565.75,956.45 v1(10544.6,977.6)
pads on no net: J1.3
copper on no net: | length 1523.2
  Top Layer w12: 2792,3581.51 2792,3634 2800,3642 2837,3642 2842,3637 2842,3581.51 2842,3526 2869.39,3498.61 2869.39,3434.65 2869.39,3381.39 2818.2,3330.2 2818.2,3265.35 ; v1(2818,3510) 2843.8,3484.2 2843.8,3434.65 ; v1(2827,3203) 2843.8,3219.8 2843.8,3265.35 2844.53,3266.09 ; 2842,3790.49 v1(2842,3852) 2860,3870 2875,3870 2892,3853 2892,3790.49
  Bottom Layer w12: v1(2827,3203) 2818,3212 v1(2818,3510) 2818,3834 2836,3852 v1(2842,3852)
  other v3: -78.74,0 -78.74,5472.44

## Keep-outs
Keep-Out Layer:
  lines w10: -93.94,5644.99 ccw(c-93,5456.99) -281,5458 -278.11,-2 ccw(c-95.22,-0.15) -91,-183 11561,-180.99 ccw(c11560.07,6.96) 11748.02,5.95 11748.02,5455 ccw(c11560.02,5456.75) 11561.03,5644.74 ; -93,5645 11561.03,5645

## Dimensions
-854,5644 to -879,-200 on Keep-Out Layer
-281,-335 to 11764,-415 on Keep-Out Layer